# KiCad board final-cu.kicad_pcb (continued)
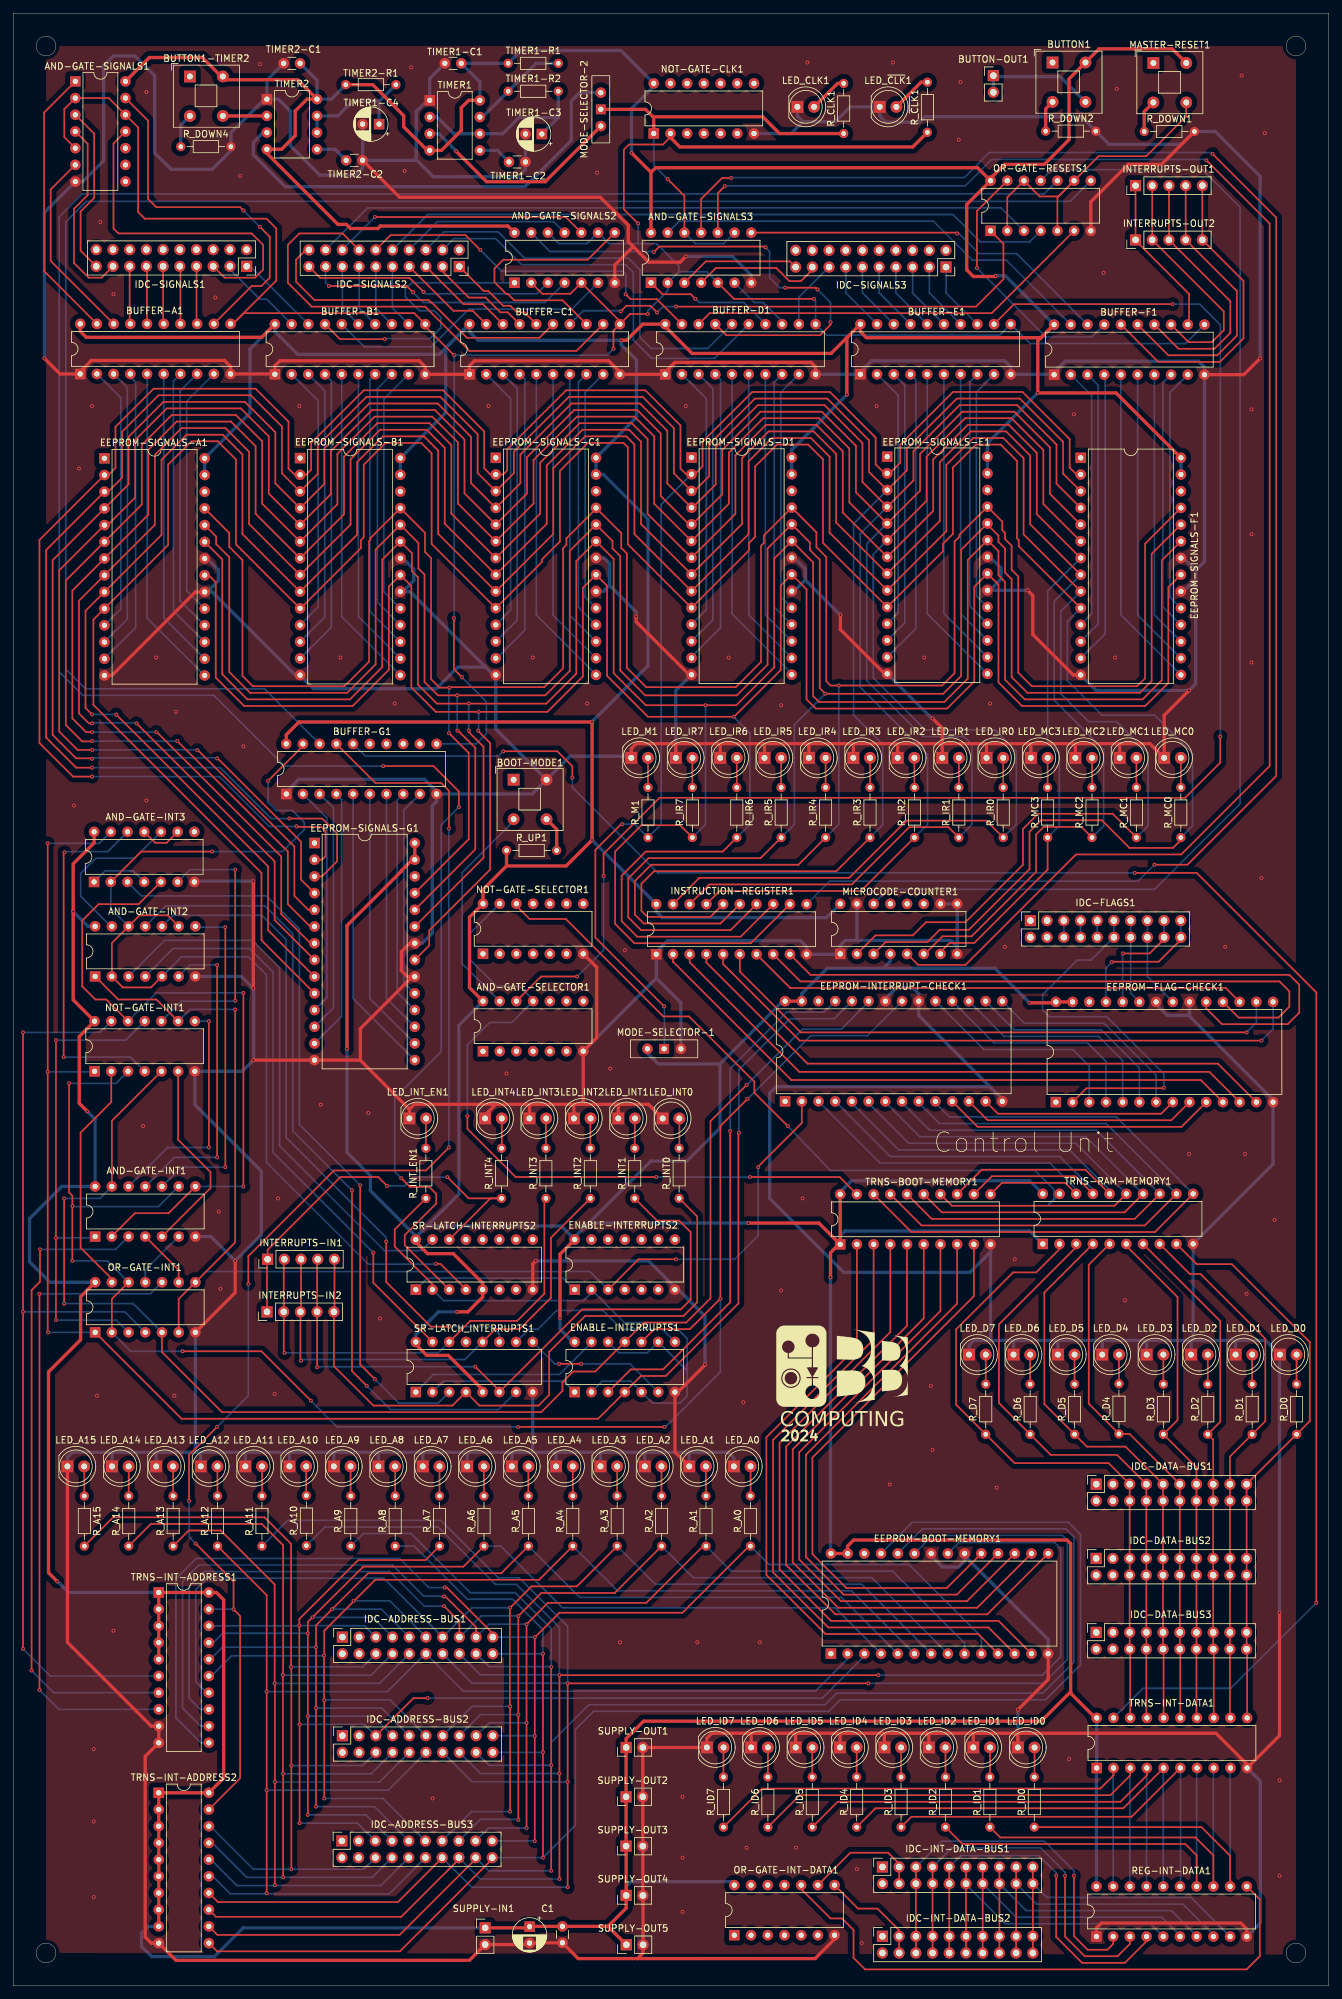
[diagram p0: board, top side]
## Routing (per net, layer and track width the routed paths; a pad name or vN(x,y) marks a point on that pad's centre or on a via; arc(x,y) is an arc through that point) (continued)
  Bottom w0.25: ENABLE-INTERRUPTS1.2 89.57,91.98 93.84,91.98 ENABLE-INTERRUPTS1.5 97.19,88.63 101.37,88.63 102.44,89.71 102.44,93.43 ; 102.44,93.43 102.44,98.45 100.04,100.85 92.92,100.85 ENABLE-INTERRUPTS2.2 87.9,105.38 86.72,104.2 65.45,104.2 63.77,105.88 SR-LATCH-INTERRUPTS2.2 ; 102.44,93.43 102.44,93.54 ENABLE-INTERRUPTS1.9 96.38,96.25 92.12,96.25 ENABLE-INTERRUPTS1.12
INT_OUT_0: length 48.3
  Top w0.25: BUFFER-F1.16 174.07,246.96 183.45,246.96 187.03,250.54 187.03,259.27 INTERRUPTS-OUT2.5 INTERRUPTS-OUT1.5
INT_OUT_1: length 44.3
  Top w0.25: INTERRUPTS-OUT1.4 INTERRUPTS-OUT2.4 186.03,257.73 186.03,250.96 183.03,247.96 175.61,247.96 BUFFER-F1.15
INT_OUT_2: length 40.3
  Top w0.25: INTERRUPTS-OUT1.3 INTERRUPTS-OUT2.3 185.03,256.19 185.03,251.37 182.62,248.97 177.15,248.97 BUFFER-F1.14
INT_OUT_3: length 36.4
  Top w0.25: BUFFER-F1.13 178.69,249.97 182.2,249.96 184.03,251.79 184.03,254.65 INTERRUPTS-OUT2.2 INTERRUPTS-OUT1.2
INT_OUT_4: length 24.6
  Top w0.25: INTERRUPTS-OUT1.1 INTERRUPTS-OUT2.1 170.62,265.43 178.75,257.3 178.75,252.83 BUFFER-F1.12
IR0: length 479.6
  Top w0.25: v1(12,189.3) 11.95,189.25 10.5,189.25 8,191.75 8,213.72 EEPROM-SIGNALS-A1.6 19.55,225.28 19.55,234.33 24.11,238.89 33.86,238.89 37.86,234.89 37.86,225.4 EEPROM-SIGNALS-B1.6 49.29,225.31 49.29,232.98 54.95,238.64 63.7,238.64 67.61,234.73 67.61,225.44 EEPROM-SIGNALS-C1.6 79.11,225.42 79.11,232.05 85.7,238.64 94.45,238.64 97.44,235.65 97.44,225.4 EEPROM-SIGNALS-D1.6 103.12,219.72 108.79,225.39 108.79,233.17 114.01,238.39 122.51,238.39 127.11,233.8 127.11,225.61 EEPROM-SIGNALS-E1.6 138.86,225.84 138.86,232.55 144.7,238.39 151.76,238.39 156.6,233.55 156.6,225.36 EEPROM-SIGNALS-F1.6 ; EEPROM-SIGNALS-G1.6 45.15,161.1 41.75,164.5 41.75,172.5 24.95,189.3 v1(24.95,189.3) ; INSTRUCTION-REGISTER1.19 104.3,168.5 127.09,168.5 135.79,177.21 147.93,177.21 R_IR0.1
  Bottom w0.25: R_IR0.1 152.5,176.63 152.5,187.75 149.25,191 138.66,191 130.75,198.91 130.75,217.73 EEPROM-SIGNALS-E1.6 ; v1(24.95,189.3) v1(12,189.3)
IR1: length 458.6
  Top w0.25: v1(28,187.92) 28.08,187.92 42.75,173.25 42.75,165.75 44.86,163.64 EEPROM-SIGNALS-G1.5 ; R_IR1.1 142.18,176.21 136.21,176.21 127.5,167.5 105.84,167.5 INSTRUCTION-REGISTER1.18 ; v1(12.02,187.95) 9.8,187.95 7,190.75 7,215.26 EEPROM-SIGNALS-A1.5 14.36,222.14 18.55,226.33 18.55,235.08 23.36,239.89 34.61,239.89 38.86,235.64 38.86,226.94 EEPROM-SIGNALS-B1.5 48.29,226.86 48.29,233.4 54.53,239.64 64.11,239.64 68.61,235.15 68.61,226.98 EEPROM-SIGNALS-C1.5 78.11,226.96 78.11,232.46 85.28,239.64 94.86,239.64 98.44,236.06 98.44,226.56 102.74,222.26 EEPROM-SIGNALS-D1.5 103.23,222.26 107.79,226.82 107.79,233.58 113.6,239.39 122.93,239.39 128.11,234.21 128.11,227.15 EEPROM-SIGNALS-E1.5 137.86,227.38 137.86,232.96 144.28,239.39 152.18,239.39 157.6,233.97 157.6,226.89 EEPROM-SIGNALS-F1.5
  Bottom w0.25: R_IR1.1 145.75,176.63 145.75,188.75 144.5,190 138.25,190 129.75,198.5 129.75,219.27 EEPROM-SIGNALS-E1.5 ; v1(12.02,187.95) 27.96,187.95 v1(28,187.92)
IR2: length 434
  Top w0.25: EEPROM-SIGNALS-G1.4 43.75,168.24 43.75,174 31.08,186.67 v1(31,186.67) ; EEPROM-SIGNALS-F1.4 158.6,228.44 158.6,234.39 152.61,240.39 143.87,240.39 136.86,233.38 136.86,228.92 EEPROM-SIGNALS-E1.4 129.11,228.69 129.11,234.63 123.34,240.39 113.18,240.39 106.79,234 106.79,228.32 103.27,224.8 EEPROM-SIGNALS-D1.4 99.44,228.47 99.44,236.48 95.28,240.64 84.87,240.64 77.11,232.88 77.11,228.5 EEPROM-SIGNALS-C1.4 69.61,228.52 69.61,235.56 64.53,240.64 54.12,240.64 47.29,233.81 47.29,228.39 EEPROM-SIGNALS-B1.4 39.86,228.48 39.86,236.26 35.23,240.89 22.86,240.89 17.55,235.58 17.55,228.36 EEPROM-SIGNALS-A1.4 6,216.8 6,190.25 9.58,186.68 11.93,186.68 v1(12,186.6) ; INSTRUCTION-REGISTER1.17 107.38,166.5 128.87,166.5 R_IR2.1
  Bottom w0.25: v1(12,186.6) 12.14,186.75 27.5,186.75 27.51,186.74 30.92,186.74 v1(31,186.67) ; EEPROM-SIGNALS-E1.4 128.75,220.81 128.75,197.51 139,187.26 139,176.63 R_IR2.1
IR3: length 451
  Top w0.25: v1(12,185.25) 9.58,185.25 5,189.84 5,218.34 EEPROM-SIGNALS-A1.3 14.44,227.22 16.55,229.33 16.55,236.33 22.11,241.89 36.11,241.89 40.86,237.14 40.86,230.02 EEPROM-SIGNALS-B1.3 46.29,229.94 46.29,234.22 53.71,241.64 64.94,241.64 70.61,235.98 70.61,230.06 EEPROM-SIGNALS-C1.3 73.37,227.3 76.11,230.03 76.11,233.29 84.46,241.64 95.69,241.64 100.44,236.89 100.44,230.01 EEPROM-SIGNALS-D1.3 103.56,227.34 105.79,229.57 105.79,234.41 112.77,241.39 123.75,241.39 130.11,235.04 130.11,230.23 EEPROM-SIGNALS-E1.3 135.86,230.46 135.86,233.79 143.46,241.39 153.02,241.39 159.6,234.81 159.6,229.97 162.27,227.3 EEPROM-SIGNALS-F1.3 ; EEPROM-SIGNALS-G1.3 46.94,168.72 49.25,171.03 49.25,175.25 46.98,177.52 v1(42,177.52) ; INSTRUCTION-REGISTER1.16 105.97,162.56 96.44,162.56 95.5,163.5 95.5,167.59 97.41,169.5 125.12,169.5 R_IR3.1
  Bottom w0.25: v1(42,177.52) 39.23,177.52 31.5,185.25 v1(12,185.25) ; EEPROM-SIGNALS-E1.3 127.75,222.35 127.75,193.25 132.17,188.83 132.17,176.55 R_IR3.1
IR4: length 492.6
  Top w0.25: EEPROM-SIGNALS-A1.25 32.86,220.94 32.86,218.83 34.86,216.83 34.86,199.22 36.43,197.64 50.36,197.64 54.11,201.38 54.11,219.68 54.29,219.87 54.29,220.16 EEPROM-SIGNALS-B1.25 62.61,220.97 62.61,218.07 63.53,217.14 63.53,198.71 64.81,197.42 v1(66.32,197.42) 66.4,197.5 80.72,197.5 83.61,200.38 83.61,218.63 84.11,219.13 84.11,220.14 88.61,224.64 EEPROM-SIGNALS-C1.25 92.44,220.93 92.44,218.67 93.28,217.83 93.28,200.46 96.24,197.5 109.84,197.5 113.68,201.34 113.68,219 114.11,219.42 114.11,220.55 EEPROM-SIGNALS-D1.25 122.11,221.05 122.11,218.8 123.61,217.3 123.61,198.39 124.25,197.75 v1(125.5,197.75) 141.22,197.75 143.11,199.63 143.11,219.64 143.86,220.39 143.86,220.68 EEPROM-SIGNALS-E1.25 150.36,222.68 150.36,221.38 150.78,220.96 150.78,220 151.78,219 151.78,215.34 152.78,214.34 152.78,199.72 154.86,197.64 170.86,197.64 172.07,198.85 172.07,219.31 EEPROM-SIGNALS-F1.25 ; INSTRUCTION-REGISTER1.15 107.51,161.56 95.86,161.56 94.5,162.91 94.5,168.01 96.99,170.5 119.37,170.5 R_IR4.1 ; v1(66.25,190.5) 69.25,187.5 69.25,174.38 EEPROM-SIGNALS-G1.25
  Bottom w0.25: v1(125.5,197.75) 125.5,176.63 R_IR4.1 ; v1(66.32,197.42) 66.25,197.35 v1(66.25,190.5)
IR5: length 482.2
  Top w0.25: INSTRUCTION-REGISTER1.14 109.06,160.56 95.44,160.56 93.5,162.5 93.5,168.42 96.58,171.5 113.62,171.5 R_IR5.1 ; EEPROM-SIGNALS-A1.24 30.86,220.4 30.86,219.27 32.86,217.27 32.86,199.8 36.02,196.64 50.78,196.64 55.11,200.97 55.11,218.43 EEPROM-SIGNALS-B1.24 61.61,219.43 61.61,215.55 62.53,214.63 62.53,198.29 64.57,196.25 v1(67.5,196.25) 80.89,196.25 84.61,199.97 84.61,218.22 EEPROM-SIGNALS-C1.24 91.11,219.72 91.11,218.59 92.28,217.42 92.28,200.04 96.07,196.25 110.01,196.25 114.68,200.92 114.68,218.58 EEPROM-SIGNALS-D1.24 121.11,219.51 121.11,218.38 122.61,216.88 122.61,197.36 v1(123.46,196.5) 141.39,196.5 144.11,199.22 144.11,218.39 EEPROM-SIGNALS-E1.24 148.11,222.22 149.78,220.54 149.78,219.59 150.78,218.59 150.78,214.92 151.78,213.92 151.78,199.04 154.18,196.64 171.27,196.64 173.07,198.44 173.07,217.77 EEPROM-SIGNALS-F1.24 ; EEPROM-SIGNALS-G1.24 70.25,172.84 70.25,188.27 67.62,190.9 v1(67.54,190.9)
  Bottom w0.25: R_IR5.1 118.75,176.63 118.75,191.79 v1(123.46,196.5) ; v1(67.54,190.9) 67.5,190.94 v1(67.5,196.25)
IR6: length 433.8
  Top w0.25: INSTRUCTION-REGISTER1.13 110.59,159.56 94.86,159.56 92.5,161.91 92.5,168.84 96.16,172.5 107.87,172.5 R_IR6.2 ; EEPROM-SIGNALS-A1.21 29.73,214.52 30.79,213.45 30.79,198.95 35.11,194.64 51.61,194.64 57.11,200.14 57.11,212.81 EEPROM-SIGNALS-B1.21 60.53,212.88 60.53,197.47 64.25,193.75 v1(70.75,193.75) 81.22,193.75 86.61,199.14 86.61,212.6 EEPROM-SIGNALS-C1.21 90.28,212.93 90.28,199.22 96.5,193 v1(109.5,193) 109.59,193 116.68,200.09 116.68,212.97 EEPROM-SIGNALS-D1.21 120.61,212.39 120.61,195.64 122,194.25 141.97,194.25 146.11,198.39 146.11,212.77 EEPROM-SIGNALS-E1.21 149.78,213.09 149.78,198.22 153.36,194.64 172.1,194.64 175.61,198.15 175.61,212.69 EEPROM-SIGNALS-F1.21 ; v1(70.69,190.9) 70.69,190.81 72.5,189 72.5,169.75 63.25,160.5 63.25,158.22 EEPROM-SIGNALS-G1.21
  Bottom w0.25: v1(70.75,193.75) 70.75,190.96 v1(70.69,190.9) ; R_IR6.2 112,176.63 112,190.5 v1(109.5,193)
IR7: length 470.1
  Top w0.25: EEPROM-SIGNALS-G1.23 71.5,171.55 71.5,188.43 69.28,190.65 v1(69.28,190.9) ; EEPROM-SIGNALS-F1.23 174.61,216.77 174.61,198.56 171.68,195.64 153.77,195.64 150.78,198.63 150.78,213.51 149.78,214.51 149.78,218.18 EEPROM-SIGNALS-E1.23 145.11,216.85 145.11,198.8 141.55,195.25 122.5,195.25 121.61,196.14 121.61,216.47 EEPROM-SIGNALS-D1.23 115.68,217.05 115.68,200.51 109.92,194.75 v1(105.25,194.75) 96.16,194.75 91.28,199.63 91.28,217 EEPROM-SIGNALS-C1.23 85.61,216.68 85.61,199.55 81.05,195 v1(69.25,195) 64.41,195 61.53,197.88 61.53,214.21 60.61,215.14 60.61,217.89 EEPROM-SIGNALS-B1.23 56.11,216.89 56.11,200.55 51.19,195.64 35.61,195.64 31.79,199.45 31.79,216.93 EEPROM-SIGNALS-A1.23 ; INSTRUCTION-REGISTER1.12 112.13,158.56 94.44,158.56 91.5,161.5 91.5,172.5 95.5,176.5 101.38,176.5 R_IR7.1
  Bottom w0.25: v1(69.25,195) 69.25,190.93 v1(69.28,190.9) ; v1(105.25,194.75) 105.25,176.63 R_IR7.1
MASTER_RESET: length 50.2
  Top w0.25: OR-GATE-RESETS1.5 158.74,271.98 OR-GATE-RESETS1.9 ; OR-GATE-RESETS1.2 151.12,271.98 OR-GATE-RESETS1.12 156.05,272.13 158.89,272.13 OR-GATE-RESETS1.9 ; OR-GATE-RESETS1.9 165.01,278.25 172.25,278.25 178.33,284.33 MASTER-RESET1.4
MC0: length 508.9
  Top w0.25: MICROCODE-COUNTER1.3 132.62,158.75 139,158.75 140.86,160.6 145.28,160.6 154.5,169.83 154.5,175.52 156.23,177.25 165.5,177.25 169.69,173.06 176.31,173.06 177.5,174.25 R_MC0.1 ; EEPROM-SIGNALS-G1.10 37.75,159 37.75,169.25 12.2,194.8 12.2,207.76 EEPROM-SIGNALS-A1.10 23.55,219.12 23.55,231.33 27.11,234.89 31.11,234.89 33.86,232.14 33.86,219.24 EEPROM-SIGNALS-B1.10 43.7,209.48 52.86,218.64 52.86,219.85 53.29,220.28 53.29,231.32 56.61,234.64 62.04,234.64 63.61,233.08 63.61,219.28 EEPROM-SIGNALS-C1.10 80.36,216.51 80.36,216.89 83.11,219.64 83.11,230.39 87.36,234.64 92.79,234.64 93.44,233.99 93.44,219.24 EEPROM-SIGNALS-D1.10 111.86,218.3 111.86,219.43 112.79,220.36 112.79,231.07 116.11,234.39 120.86,234.39 123.11,232.14 123.11,219.45 EEPROM-SIGNALS-E1.10 141.36,218.18 141.36,219.31 142.86,220.81 142.86,230.89 146.36,234.39 150.11,234.39 152.6,231.89 152.6,220.13 152.86,219.88 152.86,218.94 EEPROM-SIGNALS-F1.10
  Bottom w0.25: EEPROM-SIGNALS-F1.10 160.25,207.49 160.25,198.5 165.5,193.25 173.51,193.25 179.28,187.49 179.28,176.41 R_MC0.1
MC1: length 492.9
  Top w0.25: EEPROM-SIGNALS-F1.9 153.6,220.74 153.6,232.31 150.52,235.39 145.94,235.39 141.86,231.3 141.86,221.22 EEPROM-SIGNALS-E1.9 124.11,220.99 124.11,232.55 121.27,235.39 115.36,235.39 111.79,231.82 111.79,220.78 EEPROM-SIGNALS-D1.9 94.44,220.78 94.44,234.41 93.21,235.64 86.94,235.64 82.11,230.8 82.11,220.8 EEPROM-SIGNALS-C1.9 64.61,220.82 64.61,233.49 62.46,235.64 56.19,235.64 52.29,231.74 52.29,220.69 EEPROM-SIGNALS-B1.9 34.86,220.78 34.86,232.89 31.86,235.89 26.36,235.89 22.55,232.08 22.55,220.66 EEPROM-SIGNALS-A1.9 11,209.1 11,194.34 v1(11.98,193.35) ; MICROCODE-COUNTER1.2 131.09,159.75 136.75,159.75 138.75,161.75 144.75,161.75 153.5,170.5 153.5,175.94 155.81,178.25 167.13,178.25 R_MC1.1 ; v1(15.67,193.33) 38.75,170.25 38.75,160.54 EEPROM-SIGNALS-G1.9
  Bottom w0.25: v1(11.98,193.35) 15.65,193.35 v1(15.67,193.33) ; R_MC1.1 172.53,176.41 172.53,187.49 167.76,192.25 163.5,192.25 159.25,196.5 159.25,209.03 EEPROM-SIGNALS-F1.9
MC2: length 462.8
  Top w0.25: R_MC2.1 162.38,176.25 156.64,176.25 155.5,175.11 155.5,169.41 145.69,159.6 141.27,159.6 138.6,156.93 MICROCODE-COUNTER1.6 ; EEPROM-SIGNALS-F1.8 154.6,222.28 154.6,232.72 150.93,236.39 145.53,236.39 140.86,231.72 140.86,222.76 EEPROM-SIGNALS-E1.8 125.11,222.53 125.11,232.97 121.68,236.39 114.84,236.39 110.79,232.34 110.79,222.31 EEPROM-SIGNALS-D1.8 95.44,222.32 95.44,234.82 93.62,236.64 86.53,236.64 81.11,231.22 81.11,222.34 EEPROM-SIGNALS-C1.8 65.61,222.36 65.61,233.9 62.87,236.64 55.78,236.64 51.29,232.15 51.29,222.24 EEPROM-SIGNALS-B1.8 35.86,222.32 35.86,233.3 32.27,236.89 25.61,236.89 21.55,232.83 21.55,222.19 EEPROM-SIGNALS-A1.8 10,210.64 10,193.5 11.5,192 v1(12.01,192) ; EEPROM-SIGNALS-G1.8 39.75,162.08 39.75,171 v1(18.75,192)
  Bottom w0.25: v1(18.75,192) 18.67,192.07 12.08,192.07 v1(12.01,192) ; EEPROM-SIGNALS-F1.8 158.25,210.57 158.25,195.5 165.78,187.97 165.78,176.41 R_MC2.1
MC3: length 443.1
  Top w0.25: v1(21.75,190.66) 21.84,190.66 40.75,171.75 40.75,163 45.19,158.56 EEPROM-SIGNALS-G1.7 ; R_MC3.1 157.25,169.75 146.1,158.6 142.35,158.6 140.97,157.22 MICROCODE-COUNTER1.7 ; v1(12,190.65) 11.1,190.65 9,192.75 9,212.18 EEPROM-SIGNALS-A1.7 20.55,223.74 20.55,233.58 24.86,237.89 33.11,237.89 36.86,234.14 36.86,223.86 EEPROM-SIGNALS-B1.7 50.29,223.78 50.29,232.57 55.36,237.64 63.28,237.64 66.61,234.32 66.61,223.9 EEPROM-SIGNALS-C1.7 80.11,223.88 80.11,231.63 86.11,237.64 94.03,237.64 96.44,235.23 96.44,223.86 EEPROM-SIGNALS-D1.7 109.79,223.86 109.79,232.75 114.43,237.39 122.1,237.39 126.11,233.38 126.11,224.07 EEPROM-SIGNALS-E1.7 139.86,224.3 139.86,232.13 145.11,237.39 151.35,237.39 155.6,233.14 155.6,223.81 EEPROM-SIGNALS-F1.7
  Bottom w0.25: EEPROM-SIGNALS-F1.7 157.25,212.11 157.25,189.26 159.03,187.49 159.03,176.41 R_MC3.1 ; v1(21.75,190.66) 21.75,190.65 v1(12,190.65)
MCC_RST: length 186.1
  Bottom w0.25: MICROCODE-COUNTER1.14 133,166.75 173.5,166.75 186.5,179.75 186.5,270.48 180.79,276.19 157.87,276.19 OR-GATE-RESETS1.11
MCC_RST': length 39.7
  Top w0.25: OR-GATE-RESETS1.13 146.5,269.9 v1(146.5,261.25)
  Bottom w0.25: BUFFER-F1.17 163.97,250.75 157,250.75 v1(146.5,261.25)
MCC_TICK: length 246.9
  Top w0.25: AND-GATE-SIGNALS3.10 107.12,272.62 v1(108.18,273.68) ; MICROCODE-COUNTER1.5 137.56,155.25 144.75,155.25 161.55,172.05 177.55,172.05 191,185.5 191,268 v1(181.38,277.62)
  Bottom w0.25: v1(181.38,277.62) 181.25,277.75 148.75,277.75 144.75,273.75 108.25,273.75 v1(108.18,273.68)
MCC_TICK`: length 56.9
  Top w0.25: v1(143.5,266.5) 143.38,266.62 AND-GATE-SIGNALS3.8
  Bottom w0.25: BUFFER-F1.18 152.53,263.43 146.82,263.43 143.75,266.5 v1(143.5,266.5)
MEM_PART: length 10.7
  Bottom w0.25: IDC-SIGNALS3.11 129.11,257.46 BUFFER-E1.18
MEMORY_SELECTOR: length 234.2
  Top w0.25: BUFFER-E1.12 152.16,255.75 v1(176.25,255.75) ; v1(85.75,153.5) 80.25,153.5 AND-GATE-SELECTOR1.12 ; v1(89.75,168.75) 89.75,172.16 98.26,180.68 178.18,180.68 178.18,180.7 183.5,186.02 v1(183.5,190)
  Bottom w0.25: v1(89.75,168.75) 89.75,157.5 v1(85.75,153.5) ; v1(176.25,255.75) 180.35,255.75 183.5,252.6 v1(183.5,190)
MODE: length 431.2
  Top w0.25: EEPROM-SIGNALS-F1.2 161.66,229.84 160.6,230.89 160.6,235.22 153.43,242.39 142.86,242.39 134.86,234.39 134.86,231.64 133.23,230.01 EEPROM-SIGNALS-E1.2 132.49,230.01 131.11,231.39 131.11,235.45 124.17,242.39 112.36,242.39 104.79,234.82 104.79,231.07 103.6,229.88 EEPROM-SIGNALS-D1.2 102.31,229.88 101.44,230.75 101.44,237.31 96.11,242.64 84.04,242.64 75.11,233.7 75.11,230.45 74.5,229.84 EEPROM-SIGNALS-C1.2 72.56,229.84 71.61,230.79 71.61,236.39 65.36,242.64 53.29,242.64 45.29,234.64 45.29,230.57 44.52,229.8 EEPROM-SIGNALS-B1.2 42.81,229.8 41.86,230.75 41.86,237.89 36.86,242.89 21.36,242.89 15.55,237.08 15.55,230.83 14.48,229.76 EEPROM-SIGNALS-A1.2 4,219.88 4,189 9.1,183.9 v1(12,183.9) ; EEPROM-SIGNALS-G1.2 46.94,171.26 47.48,171.8 47.48,175.6 46.84,176.25 43.16,176.25 v1(43.08,176.33) ; v1(92.59,176.66) 92.41,176.66 88.5,172.75 88.5,159.41 v1(98.96,148.96)
  Bottom w0.25: EEPROM-SIGNALS-D1.2 98.5,225.26 98.5,176.63 R_M1.1 94.47,176.66 v1(92.59,176.66) ; 99,143.04 99,148.91 v1(98.96,148.96) ; v1(43.08,176.33) 38.92,176.33 31.35,183.9 v1(12,183.9)
PC_RST: length 110.2
  Bottom w0.25: OR-GATE-RESETS1.3 150.18,270.38 53.88,270.38 IDC-SIGNALS2.18
PC_RST': length 77.9
  Top w0.25: OR-GATE-RESETS1.1 150.53,264.94 150.53,259.53 146.38,255.38 v1(100.75,255.38) ; v1(97.89,254.48) 96.86,255.5 93.21,255.5 v1(92.37,254.66)
  Bottom w0.25: v1(92.37,254.66) 92.28,254.75 86.66,254.75 BUFFER-C1.14 ; v1(97.89,254.48) 98.79,255.38 v1(100.75,255.38)
PC_TICK: length 39.4
  Top w0.25: AND-GATE-SIGNALS2.10 83.99,269 v1(55,269)
  Bottom w0.25: v1(55,269) 50.04,264.04 IDC-SIGNALS2.16
PC_TICK`: length 39.3
  Top w0.25: AND-GATE-SIGNALS2.8 87.33,262.5 74.5,262.5 73.16,261.16 73.16,259.09 75,257.25 75.25,257.25 76.17,256.32 83.52,256.32 BUFFER-C1.13
REG_A_LOAD: length 26.1
  Top w0.25: AND-GATE-SIGNALS1.3 12.32,281.68 12.32,271.91 10.25,269.84 10.25,263.88 IDC-SIGNALS1.19
REG_A_LOAD`: length 42.2
  Top w0.25: BUFFER-A1.19 4.7,260.78 4.7,284.88 AND-GATE-SIGNALS1.1
REG_B_LOAD: length 29.2
  Top w0.25: IDC-SIGNALS1.17 13.45,259.77 11.48,259.77 9.25,262 9.25,270.25 11.32,272.32 11.32,280.13 AND-GATE-SIGNALS1.4
REG_B_LOAD`: length 29.7
  Top w0.25: BUFFER-A1.18 5.7,262.32 5.7,273.18 AND-GATE-SIGNALS1.6
REG_F_LOAD: length 51.9
  Top w0.25: IDC-SIGNALS1.5 32.14,259.77 36.78,259.77 38,261 38,264.75 36.25,266.5 16,266.5 15.25,267.25 15.25,280.19 AND-GATE-SIGNALS1.11 17.07,282
REG_F_LOAD`: length 55.3
  Top w0.25: AND-GATE-SIGNALS1.13 20.5,283.65 20.5,271.75 21.75,270.5 34.5,270.5 v1(35,270) ; v1(37.5,267.5) 39,266 39,259.75 37.75,258.5 36.26,258.5 BUFFER-A1.12
  Bottom w0.25: v1(35,270) v1(37.5,267.5)
REG_INT_DATA_LOAD1: length 18.1
  Top w0.25: OR-GATE-INT-DATA1.9 127.25,20.25 133,20.25 134.68,18.57 IDC-INT-DATA-BUS1.3 IDC-INT-DATA-BUS1.4
REG_INT_DATA_LOAD2: length 16.1
  Top w0.25: IDC-INT-DATA-BUS2.4 IDC-INT-DATA-BUS2.3 134.68,8.45 131.38,11.75 128.44,11.75 OR-GATE-INT-DATA1.8
REG_IR_LOAD: length 263.9
  Top w0.25: v1(109.13,274.93) 107.76,274.93 104.58,271.74 AND-GATE-SIGNALS3.11 ; v1(182.33,278.58) 192,268.91 192,184 178.5,170.5 v1(173.5,170.5)
  Bottom w0.25: INSTRUCTION-REGISTER1.11 124.12,168 171,168 v1(173.5,170.5) ; v1(109.13,274.93) 109.2,275 144.59,275 148.39,278.8 182.11,278.8 v1(182.33,278.58)
REG_IR_LOAD`: length 68.5
  Bottom w0.25: BUFFER-F1.19 150.99,262.43 145.82,262.43 139.87,268.38 101.26,268.38 AND-GATE-SIGNALS3.13
REG_MAR_LOAD: length 18.6
  Top w0.25: IDC-SIGNALS3.19 118.09,262.25 105.29,262.25 AND-GATE-SIGNALS3.3
REG_MAR_LOAD`: length 20
  Top w0.25: AND-GATE-SIGNALS3.1 98.71,257.25 103.01,257.25 v1(103.71,256.55)
  Bottom w0.25: v1(103.71,256.55) 104.26,256 111.06,256 BUFFER-D1.14
REG_MBR_LOAD: length 19.8
  Top w0.25: AND-GATE-SIGNALS3.4 106.83,261.25 116,261.25 118,259.25 119.75,259.25 121.49,260.99 IDC-SIGNALS3.17
REG_MBR_LOAD`: length 10.1
  Bottom w0.25: AND-GATE-SIGNALS3.6 112.66,256 114,256 116.9,253.1 BUFFER-D1.13
REG_MBR_WORD_DIR: length 10.7
  Bottom w0.25: IDC-SIGNALS3.7 134.19,257.46 BUFFER-E1.16
REG_TMP_ADDRESS_DIR: length 15.3
  Top w0.25: IDC-SIGNALS2.5 68.45,255.75 71.4,255.75 BUFFER-C1.18
REG_TMPH_DATA_DIR: length 15.8
  Top w0.25: IDC-SIGNALS2.3 65.28,260.72 69.25,256.75 71.81,256.75 74.06,254.5 75.19,254.5 BUFFER-C1.17
REG_TMPH_LOAD: length 38.7
  Top w0.25: IDC-SIGNALS2.19 46.69,259.74 60.27,259.74 62.37,257.63 v1(62.37,257.62)
  Bottom w0.25: v1(62.37,257.62) 62.67,257.32 79.61,257.32 AND-GATE-SIGNALS2.3
REG_TMPH_LOAD`: length 45.7
  Top w0.25: v1(56.5,250.43) 49.68,250.43 BUFFER-B1.17
  Bottom w0.25: v1(56.5,250.43) 56.58,250.5 63.38,250.5 65,252.12 65,253.75 64,254.75 61.75,254.75 59.61,256.89 59.61,258.04 60.58,259 AND-GATE-SIGNALS2.1
REG_TMPL_DATA_DIR: length 15.3
  Top w0.25: BUFFER-C1.16 77.73,254.5 76.6,254.5 75.6,255.5 74.47,255.5 72.22,257.75 71.53,257.75 IDC-SIGNALS2.1
REG_TMPL_LOAD: length 41.3
  Top w0.25: v1(60.79,257.55) 59.84,258.5 v1(48,258.5)
  Bottom w0.25: v1(60.79,257.55) 60.79,257.55 62.34,256 80.83,256 AND-GATE-SIGNALS2.4 ; v1(48,258.5) 47.5,259 IDC-SIGNALS2.17
REG_TMPL_LOAD`: length 44.4
  Bottom w0.25: BUFFER-B1.16 53.4,249.25 63.55,249.25 69.3,255 84.91,255 AND-GATE-SIGNALS2.6
RST_INT_0: length 115.8
  Top w0.25: v1(52.75,121.75) 52.75,94.5 v1(55,92.25)
  Bottom w0.25: v1(55,92.25) 58.62,88.63 64.61,88.63 SR-LATCH_INTERRUPTS1.3 ; v1(52.75,121.75) 43.5,131 43.5,160.75 38.5,165.75 19.51,165.75 AND-GATE-INT3.3
RST_INT_1: length 124.2
  Top w0.25: v1(53.75,91.25) 51.5,93.5 v1(51.5,121)
  Bottom w0.25: AND-GATE-INT2.11 23.2,164.25 38.25,164.25 42.5,160 42.5,130 v1(51.5,121) ; SR-LATCH_INTERRUPTS1.7 73.77,87.63 57.37,87.63 v1(53.75,91.25)
RST_INT_2: length 101.1
  Top w0.25: v1(66.25,100.25) 63.5,100.25 56.71,107.04 v1(56.71,113.21)
  Bottom w0.25: v1(56.71,113.21) 56.71,113.79 41.5,129 41.5,159.11 37.81,162.81 24.3,162.81 AND-GATE-INT2.10 ; SR-LATCH_INTERRUPTS1.11 73.91,99.12 72.78,100.25 v1(66.25,100.25)
RST_INT_3: length 88.9
  Top w0.25: SR-LATCH_INTERRUPTS1.15 54.75,106.92 v1(54.75,111.5)
  Bottom w0.25: AND-GATE-INT2.4 24.32,157.75 35.91,157.75 39.5,154.16 39.5,126.75 v1(54.75,111.5)
RST_INT_4: length 84.6
  Bottom w0.25: AND-GATE-INT2.3 23.03,159 36.35,159 40.5,154.85 40.5,127.75 56.43,111.82 62.07,111.82 SR-LATCH-INTERRUPTS2.15
RST_INT_ENABLE: length 380.4
  Top w0.25: v1(59,122.82) 60.33,121.5 63.25,121.5 64.31,120.44 64.31,118.97 59.53,114.19 59.53,112.63 SR-LATCH-INTERRUPTS2.3 ; v1(56.25,185.5) 63.9,185.5 67.75,181.65 v1(67.75,179.25)
  Bottom w0.25: v1(59,122.82) 58,123.82 58,135 65.08,142.07 65.08,176.57 v1(67.75,179.25) ; OR-GATE-RESETS1.10 156.72,272.5 10.5,272.5 7,269 7,199.84 10.59,196.25 30.5,196.25 41.25,185.5 v1(56.25,185.5)
RST_INT_ENABLE`: length 269.7
  Bottom w0.25: OR-GATE-RESETS1.8 160.68,271.38 11.13,271.38 8,268.25 8,200.25 11,197.25 38.21,197.25 BUFFER-G1.18
SET_INT_ENABLE: length 171.4
  Top w0.25: AND-GATE-INT3.2 19.46,172.5 v1(30.25,172.5) ; AND-GATE-INT2.9 23.48,162.81 19.22,162.81 AND-GATE-INT2.12 15,158.59 AND-GATE-INT2.2 16.67,151.84 20.95,151.84 AND-GATE-INT2.5 ; v1(38.75,183.25) 44.05,188.55 BUFFER-G1.19 ; SR-LATCH-INTERRUPTS2.4 68.83,105.93 64.95,109.8 v1(64.29,109.8)
  Bottom w0.25: AND-GATE-INT3.2 14.84,163.83 AND-GATE-INT2.12 ; v1(64.29,109.8) 64.24,109.75 54,109.75 38.5,125.25 38.5,153.75 35.75,156.5 25.61,156.5 AND-GATE-INT2.5 ; v1(30.25,172.5) 40.91,172.5 44.26,175.84 44.26,176.93 42.43,178.75 40,178.75 38.75,180 v1(38.75,183.25)
STC_MODE: length 62.5
  Bottom w0.25: IDC-SIGNALS2.6 65.47,266.73 73.74,266.73 77.71,262.75 93.5,262.75 95.28,260.97 95.28,250.71 96.99,249 105.58,249 BUFFER-D1.16
STC_RST: length 103.2
  Bottom w0.25: OR-GATE-RESETS1.4 154.52,265.23 147,265.23 147,265.25 142.87,269.38 63.04,269.38 IDC-SIGNALS2.10
STC_RST': length 63
  Top w0.25: OR-GATE-RESETS1.6 148.75,254.38 105.87,254.38 BUFFER-D1.18
STC_TICK: length 26.1
  Bottom w0.25: AND-GATE-SIGNALS2.11 82.16,268.3 64.5,268.3 IDC-SIGNALS2.8
STC_TICK`: length 75.2
  Top w0.25: v1(114.38,264.38) 114.25,264.5 98.23,264.5 v1(97.41,263.68) ; v1(122.27,257.98) 122,258.25 v1(117.34,258.25) ; v1(124.25,253) 124.25,252.61 122.67,251.03 108.41,251.03 BUFFER-D1.17
  Bottom w0.25: v1(114.38,264.38) 115,263.75 115,259.75 116.5,258.25 v1(117.34,258.25) ; v1(97.41,263.68) 97.34,263.75 81.62,263.75 AND-GATE-SIGNALS2.13 ; v1(124.25,253) 124.25,256 v1(122.27,257.98)
~{ALU_OUT}: length 13
  Bottom w0.25: IDC-SIGNALS1.1 36.07,261.5 BUFFER-B1.18
~{CLK}: length 415.9
  Top w0.25: AND-GATE-SIGNALS3.5 109.57,256.55 v1(121.75,256.55) ; BUFFER-C1.11 92.23,253.14 AND-GATE-SIGNALS2.5 84.69,257.32 80.42,257.32 AND-GATE-SIGNALS2.2 ; BUFFER-C1.11 91.25,251.72 v1(91.25,248.95) ; BUFFER-C1.11 93.78,254.25 96.45,254.25 v1(96.46,254.24) ; 33.41,252.75 35.04,254.38 60.97,254.38 BUFFER-B1.11 62.65,252.35 67,248 v1(67.05,248) ; 33.41,252.75 40,259.34 40,267.25 38.5,268.75 20,268.75 19,269.75 19,282.62 AND-GATE-SIGNALS1.12 14.53,287.08 AND-GATE-SIGNALS1.2 7.77,285.41 7.77,281.14 AND-GATE-SIGNALS1.5 ; 33.41,252.75 BUFFER-A1.11 ; NOT-GATE-CLK1.2 99.91,281.17 98.78,280.02 93.61,280.02 92.82,279.24 92.82,270.18 v1(95,268) ; v1(67,208) 67,200.23 v1(68.23,199)
  Top w0.5: NOT-GATE-CLK1.2 99.91,281.08 101.35,279.65 136.75,279.65 R_~{CLK}1.1
  Bottom w0.25: 101.18,260.68 AND-GATE-SIGNALS3.2 99.5,257.75 96.46,254.71 v1(96.46,254.24) ; 101.18,260.68 105.44,260.68 AND-GATE-SIGNALS3.5 ; 101.18,260.68 101.18,261.57 97.81,264.94 95,264.94 ; v1(67,208) 67.05,208.05 v1(67.05,248) 90.3,248 v1(91.25,248.95) ; v1(121.75,256.55) 121.75,256.5 121.98,256.27 BUFFER-D1.11 123.65,251.03 149.97,251.03 BUFFER-E1.11 154.6,249.75 178.21,249.75 BUFFER-F1.11 ; 95,264.94 90.59,264.94 AND-GATE-SIGNALS2.9 87.23,264.94 82.97,264.94 AND-GATE-SIGNALS2.12 ; 95,264.94 v1(95,268) ; v1(68.23,199) 68.23,199 71.92,195.31 71.92,190.43 70.37,188.87 BUFFER-G1.11
~{INT_1``_OR_INT_2``}: length 42
  Top w0.25: v1(33.76,149.82) 33.75,149.84 v1(33.75,169.75)
  Bottom w0.25: NOT-GATE-INT1.10 25.58,149.75 33.69,149.75 v1(33.76,149.82) ; v1(33.75,169.75) 26.87,169.75 AND-GATE-INT3.6
~{INT_1``}: length 36
  Top w0.25: OR-GATE-INT1.13 15,107.5 10.25,112.25 10.25,129.75 14.91,134.41 NOT-GATE-INT1.2
~{INT_1``}_OR_INT_2``: length 9.1
  Bottom w0.25: OR-GATE-INT1.11 20.08,108.87 AND-GATE-INT1.6
~{INT_2``}: length 55.3
  Top w0.25: v1(7.67,141.25) 7.67,172.25 v1(7.8,172.38)
  Bottom w0.25: v1(7.67,141.25) 17.83,141.25 NOT-GATE-INT1.4 ; AND-GATE-INT3.12 14.38,172.5 7.92,172.5 v1(7.8,172.38)
~{INT_3``_OR_INT_4``}: length 105.5
  Top w0.25: v1(35,121.57) v1(35,151) ; AND-GATE-INT3.5 19.08,164.5 13,164.5 10.5,162 10.5,152 12.5,150 14.16,150 NOT-GATE-INT1.12 ; AND-GATE-INT1.2 15,114 18.5,117.5 23.63,117.5 AND-GATE-INT1.8
  Bottom w0.25: v1(35,151) 21.76,151 NOT-GATE-INT1.12 ; v1(35,121.57) AND-GATE-INT1.8
